# KiCad board PC110.kicad_pcb (continued)
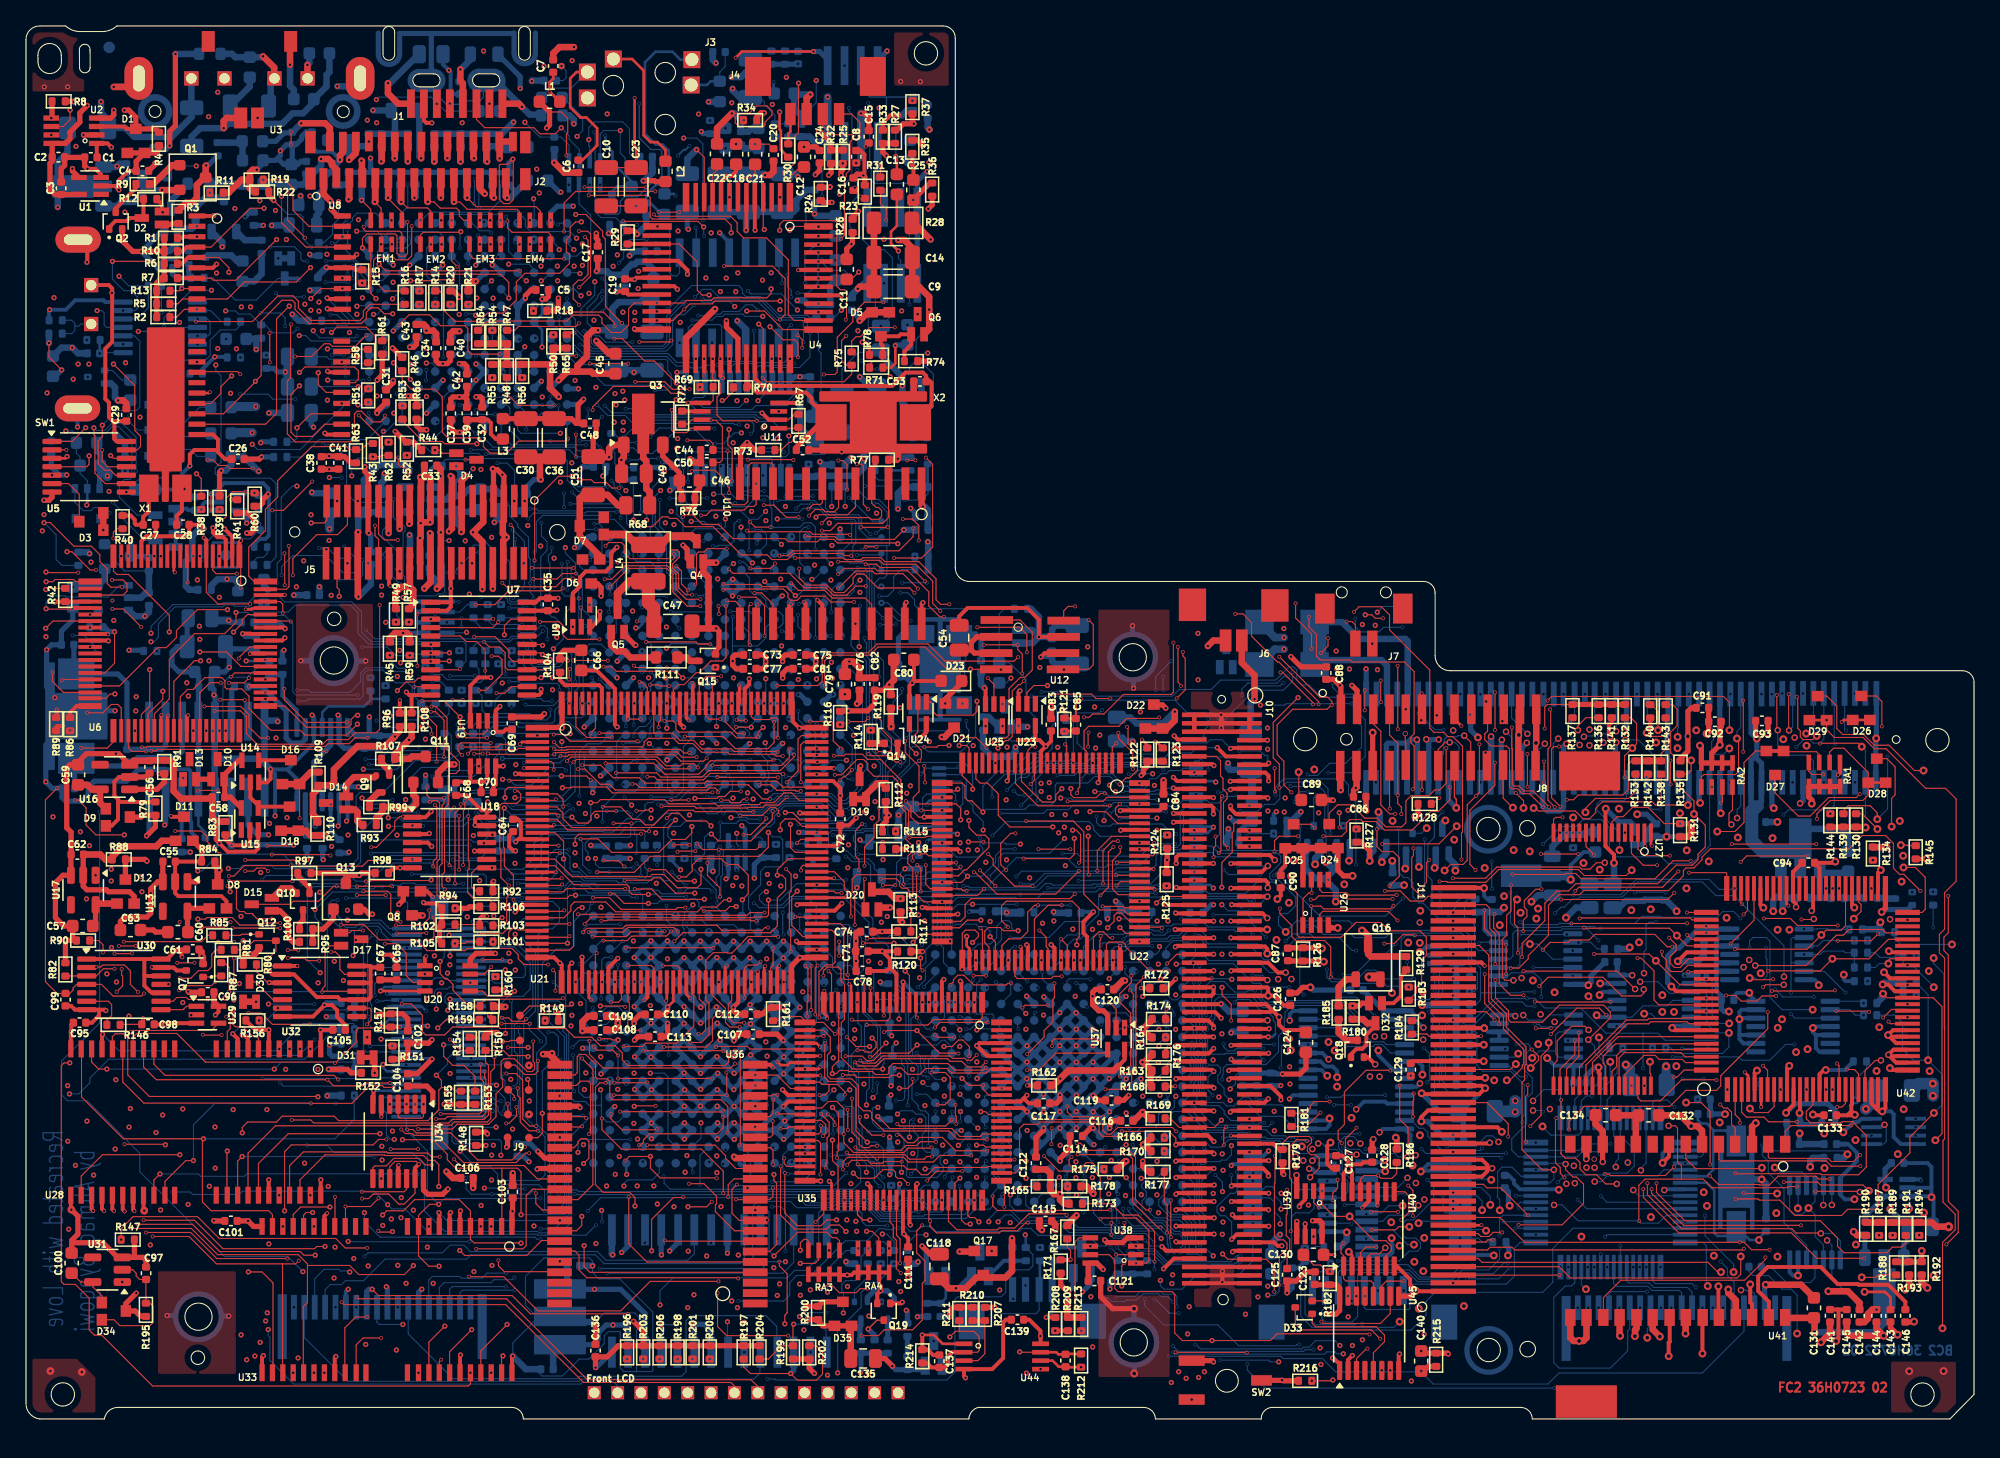
[diagram p0: board, top side]
## Routing (per net, layer and track width the routed paths; a pad name or vN(x,y) marks a point on that pad's centre or on a via; arc(x,y) is an arc through that point) (continued)
Net-(J11-CE1#): length 58.4
  FC2 w0.08: v2(147.07,21.48) 147.58,21.99 147.58,31.78 146.9,32.46 143.35,32.46 v2(143.04,32.77)
  FC1 w0.08: v3(109.93,17.43) 110.31,17.05 118.63,17.05 119.3,17.72 v4(119.3,18.17)
  IC3 w0.08: v2(147.07,21.48) 144.49,18.9 133.19,18.9 133.07,18.78 119.91,18.78 v4(119.3,18.17)
  BC1 w0.08: v2(143.04,32.77) 143.67,32.77 143.81,32.63 v7(145.6,32.63)
  BC2 w0.5: R366.1 143.04,32.52 v2(143.04,32.77)
Net-(J11-CE2#): length 69.3
  FC2 w0.08: v2(146.96,23.58) 145.11,21.73 145.11,20.5 143.25,18.64 143.24,18.64 142.66,18.06 142.66,16.37 142.45,16.16 140.33,16.16 139.85,15.68 136.27,15.68 135.09,16.86 133.52,16.86 133.42,16.96 v3(131.69,16.96) ; 109.93,18.08 112.26,18.08 112.53,17.81 113.59,17.81 v3(115.7,15.7)
  FC1 w0.08: v3(144.93,33.46) 145.83,33.46 146.49,32.8 146.49,32.81 146.49,27.66 v2(146.51,27.64) ; v3(131.69,16.96) 130.52,15.79 129,15.79 128.74,16.05 123.89,16.05 123.54,15.7 v3(115.7,15.7)
  BC2 w0.08: v2(146.51,27.64) 146.78,27.64 ; v2(146.51,27.64) 147.59,26.56 147.59,24.21 v2(146.96,23.58) ; v2(146.51,27.64) 146.51,32.7 145.58,33.63 145.56,33.63 ; v2(146.51,27.64) 145.39,27.64 144.54,28.49 144.54,30.52 143.94,31.12 142.54,31.12
Net-(J11-CSEL#): length 51.9
  FC2 w0.08: v2(144.41,44.22) 144.91,44.22 144.95,44.18 R145.2 ; v2(114.76,27.35) 114.34,26.93 109.93,26.93
  IC2 w0.08: v2(114.76,27.35) 114.76,26.84 116.18,25.42 132.93,25.42 135.27,27.76 137.37,27.76 137.54,27.93 138.93,27.93 141.06,30.06 141.06,36.76 140.32,37.5 140.32,39.52 142.53,41.73 143.02,41.73 143.66,42.37 143.66,43.47 v2(144.41,44.22)
Net-(J11-IOR#): length 58.6
  FC1 w0.08: v3(109.93,20.58) 110.01,20.66 121.43,20.66 121.99,20.1 121.99,19.61 121.74,19.36 v4(120.82,19.36)
  IC2 w0.08: v2(142.84,38.28) 141.93,37.37 141.93,24.95 142.25,24.63 142.25,23.52 141.91,23.18 141.91,20.39 140.43,18.91 126.32,18.91 126.29,18.88 125.98,18.88 124.22,17.12 122.47,17.12 121.62,17.97 121.62,18.56 v4(120.82,19.36)
  BC2 w0.08: R295.1 141.38,37.73
  BC2 w0.5: 142.75,37.74 142.75,38.2 v2(142.84,38.28) ; 142.75,37.74 141.46,37.74 R295.1 ; 142.75,37.74 142.92,37.58 R301.2
Net-(J11-IOW#): length 51.8
  FC2 w0.08: v3(115.87,22.57) 116.7,23.4 116.7,27.96 117.29,28.55 v2(117.29,29)
  FC1 w0.08: v3(109.93,21.88) 110.61,22.56 115.86,22.56 v3(115.87,22.57)
  IC3 w0.08: v2(117.29,29) 118.21,29 118.54,28.67 126.43,28.67 129.65,31.89 137.23,31.89 137.35,32.01 146.01,32.01 146.95,32.95 v2(146.95,33.27)
  BC2 w0.08: v2(146.95,33.27) 146.95,33.31 145.41,34.85 144.86,34.85 144.58,35.13 R290.2 144.03,35.71 143.89,35.57 142.79,35.57 142.43,35.93 R299.1
Net-(J13-FDD_DRATE0): length 31.4
  BC1 w0.08: v7(131.49,40.81) 131.93,41.25 131.93,43.13 134.13,45.33 135.12,45.33 135.38,45.59 v7(135.38,46.57) ; v7(119.14,36.09) 119.2,36.15 v7(119.2,40.4)
  BC2 w0.08: v7(119.2,40.4) 122.85,40.4 124.03,41.58 129.64,41.58 130.41,40.81 v7(131.49,40.81) ; v7(135.38,46.57) 135.75,46.94 138.95,46.94 139.28,47.27 J13.96
Net-(J13-FDD_DRATE1): length 46
  BC1 w0.08: v7(121.12,36.88) 122.21,36.88 123.28,35.81 124.16,35.81 125.96,37.61 125.96,41.8 127.41,43.25 129,43.25 129.72,43.97 129.72,48.81 131.33,50.42 138.75,50.42 141.04,52.71 141.04,55.75 v7(140.88,55.91)
  BC2 w0.08: U57.11 114.3,35.44 114.53,35.67 114.53,37.41 114.75,37.63 118.23,37.63 118.37,37.77 120.25,37.77 120.25,37.75 v7(121.12,36.88)
Net-(J13-Modem_ADCK#): length 5.5
  FC2 w0.1: J8.21 110.03,47.9 110.17,47.76 v2(110.17,47.09)
  BC2 w0.4: J13.59 109.58,47.68 v2(110.17,47.09)
Net-(J13-Modem_IRQ1#): length 6
  FC2 w0.08: v4(109.66,52.14) 109.32,52.14 108.78,51.6 J8.20
  BC2 w0.08: v4(109.66,52.14) 110.06,52.14 110.38,51.82 J13.60
Net-(J13-Modem_RSRVD1): length 15.3
  FC2 w0.08: J8.24 113.78,47.85 114.52,47.11 v2(114.53,47.11)
  BC1 w0.08: v2(114.53,47.11) 114.53,49.21 114.54,49.22 114.54,49.41 112.41,51.54 112.41,53.15 111.77,53.79 v7(110.14,53.79)
  BC2 w0.08: v7(110.14,53.79) 109.63,54.3 J13.42
Net-(J13-Modem_RSRVD2): length 33.4
  FC2 w0.08: J8.23 112.43,50.44 v3(112.43,51.36) ; v3(105.66,53.15) 105.66,58.03 v3(105.65,58.04) ; v1(103.16,61.97) 103.66,61.97 103.93,61.7 v3(104.53,61.7)
  FC1 w0.08: v3(104.53,61.7) 104.53,61.06 105.65,59.94 v3(105.65,58.04) ; v3(112.43,51.36) 109.01,51.36 108.35,52.02 108.35,52.59 107.63,53.31 105.82,53.31 v3(105.66,53.15)
  BC1 w0.08: v7(110.48,55.86) 109.81,55.86 107.96,54.01 106.91,54.01 104.58,56.34 104.58,59.08 103.49,60.17 103.49,61.64 v1(103.16,61.97)
Net-(J13-Modem_S11): length 7.7
  FC2 w0.08: v4(110.78,52.66) 111.28,52.16 J8.22
  BC2 w0.08: v4(110.78,52.66) 110.3,52.66 110.21,52.57 109.44,52.57 109.24,52.37 109.24,52.2 109.19,52.15 109.19,51.26 108.78,50.85 J13.58
Net-(J13-Modem_VPDA#): length 24.9
  FC2 w0.08: v2(115.35,47.08) 115.35,47.65 v3(114.76,48.24) ; v3(107.53,48.48) J8.19
  FC1 w0.08: 107.59,48.48 109.12,48.48 109.36,48.24 110.02,48.24 110.32,48.54 114.46,48.54 v3(114.76,48.24)
  BC1 w0.08: v7(103.98,49.06) 104.61,49.69 112.8,49.69 113.91,48.58 113.91,46.9 114.23,46.58 114.85,46.58 v2(115.35,47.08)
Net-(J13-RXD2): length 41.3
  FC2 w0.08: v2(110.2,45.68) 108.84,44.32 v3(104.47,44.32) ; v2(128.26,50.75) 128.26,49.98 127.97,49.69 R135.1
  FC1 w0.08: v3(100.31,41.56) 101.47,42.72 101.47,43.72 102.07,44.32 v3(104.47,44.32)
  IC3 w0.08: v2(128.26,50.75) 125.05,47.54 111.95,47.54 110.2,45.79 v2(110.2,45.68)
  BC1 w0.08: v7(128.88,55.86) 128.88,55.29 126.7,53.11 126.7,52.35 126.93,52.12 127.8,52.12 128.26,51.66 v2(128.26,50.75)
Net-(J13-TXD2): length 47.2
  FC2 w0.08: U26.6 99.66,40.77 99.86,40.57 101.7,40.57 101.9,40.37 v3(105.58,40.37) ; v2(123.68,42.29) 123.27,41.88 120.03,41.88 119.57,42.34 113.43,42.34 112.45,41.36 109.5,41.36 109.44,41.42 v3(108.89,41.42)
  FC1 w0.08: v3(108.89,41.42) 108.57,41.74 106.04,41.74 105.58,41.28 v3(105.58,40.37)
  BC1 w0.08: v2(123.68,42.29) 123.68,44.61 122.19,46.1 122.19,49.45 124.23,51.49 124.23,52.07 123.61,52.69 123.61,56 123.92,56.31 127.63,56.31 v7(128.08,55.86)
Net-(J15-RAS2): length 169.6
  FC2 w0.08: v3(30.84,54.8) 30.84,54.2 31.63,53.41 v3(31.63,50.67) ; R103.1 34.88,38.1 R102.2 ; v3(31.5,47.31) 31.65,47.16 31.65,43.26 31.37,42.98 v3(31.37,42.59)
  FC2 w0.3: R103.1 34.95,38.56 35.13,38.74 v3(35.5,38.74)
  FC1 w0.08: v3(30.84,54.8) 30.84,56.99 30.09,57.74 28.26,57.74 26.65,59.35 26.65,63 25.79,63.86 23.9,63.86 v1(23.51,63.47) ; v3(31.63,50.67) 31.63,48.49 31.5,48.36 v3(31.5,47.31) ; v3(35.5,38.74) 35.5,42.07 35.41,42.16 35.41,42.58 34.7,43.29 32.47,43.29 31.77,42.59 v3(31.37,42.59)
  IC2 w0.08: v1(4.85,81.29) 4.85,81.93 5.74,82.82 18.64,82.82 19.43,82.03 19.43,66.21 22.17,63.47 v1(23.51,63.47)
  IC4 w0.08: v1(3.35,25.05) 4.11,25.81 4.11,37.17 3.33,37.95 3.33,64.88 3.79,65.34 3.79,72.72 2.81,73.7 2.81,74.53 3.67,75.39 5.53,75.39 6.24,76.1 6.24,80.58 5.53,81.29 v1(4.85,81.29)
  BC1 w0.08: v7(27.82,32.78) 27.82,32.42 27.38,31.98 27.38,31.55 27.96,30.97 27.96,30.03 27.64,29.71 27.17,29.71 26.37,30.51 24.96,30.51 24.76,30.31 v7(24.76,29.5)
  BC2 w0.08: v7(24.76,29.5) 23.24,29.5 21.46,27.72 6.38,27.72 4.92,26.26 4.92,25.91 4.06,25.05 v1(3.35,25.05)
  BC2 w0.3: J15.11 27.83,32.79 v7(27.82,32.78)
Net-(J15-RAS3): length 11.1
  FC2 w0.4: v3(33.05,39.35) 34.04,39.35 34.16,39.47 R106.1
  FC1 w0.08: v3(33.05,39.35) 33.37,39.03 33.37,34.87 33,34.5 33,34.03 32.66,33.69 v1(32.66,32.36)
  BC2 w0.2: v1(32.66,32.36) 32.74,32.28
  BC2 w0.3: J15.49 32.73,32.29 v1(32.66,32.36)
Net-(L5--): length 16.1
  FC2 w0.1: v3(63.83,94.9) 63.83,94.79 C16.1
  FC2 w0.4: R24.2 61.91,94.92 v1(61.94,94.95)
  FC1 w0.1: v3(63.83,94.9) 63.62,95.11 62.1,95.11 v1(61.94,94.95)
  BC1 w0.2: v1(61.94,94.95) 61.14,94.95 60.45,94.26 v7(50.04,94.26)
  BC2 w0.2: L5.2 49.89,94.41 v7(50.04,94.26)
Net-(L8-+): length 24.2
  FC2 w0.2: v1(58.05,100.72) 58.05,99.38 58.15,99.28 58.15,97.8 R30.1
  BC1 w0.1: v1(58.05,100.72) 58.05,99.71 58.77,98.99 58.77,97.62 57.86,96.71 51.68,96.71 50.38,98.01 47.66,98.01 46.66,97.01 46.66,93.42 v7(46.65,93.41)
Net-(L9--): length 14.4
  FC2 w0.5: v1(13.88,96.6) 13.84,96.56 Q1.3 13.73,95.67 13.16,95.1 13.16,94.1 12.78,93.72 12.33,93.72 R3.2
  BC1 w0.4: v1(13.88,96.6) 17.92,92.56 18.77,92.56 18.93,92.4 v1(18.93,91.98)
  BC2 w0.4: v1(13.88,96.6) 14.02,96.6 R236.1 ; 20.23,91.98 L9.2
  BC2 w0.5: v1(18.93,91.98) 20.23,91.98
Net-(L11-+): length 27.7
  FC2 w0.08: R14.2 31.87,86.92 32.13,86.66 32.13,85.49 33.03,84.59 34.92,84.59 35.55,85.22 36.75,85.22 36.76,85.22 37.77,86.23 37.77,87.63 38.43,88.29 41.11,88.29 41.86,89.04 41.86,89.73 41.62,89.97 41.62,90.88 41.91,91.17 41.91,91.83 42.33,92.25 v1(42.78,92.25)
  BC1 w0.08: v7(38.67,98.01) 39.43,97.25 41.98,97.25 42.78,96.45 v1(42.78,92.25)
Net-(L13-+): length 16
  IC1 w0.2: v1(51.81,100.56) 50.98,100.56 49.8,101.74 47,101.74 45.1,99.84 43.45,99.84 v1(42.45,98.84)
  BC1 w0.08: 52.7,100.04 52.7,100.06 v7(52.69,100.07)
  BC1 w0.1: v1(51.81,100.56) 52.33,100.04 52.7,100.04
  BC2 w0.08: L13.1 41.38,101.81 42.88,100.31 42.88,99.27 v1(42.45,98.84)
Net-(L15--): length 6.2
  BC2 w0.5: 14.16,94.13 13.84,94.13 13.11,93.4 R240.1 ; 14.16,94.13 14.11,94.19 R239.1 L15.2 ; 14.16,94.13 Q20.3
Net-(L17-+): length 17.1
  FC2 w0.4: v1(33.38,86.44) 33.38,86.45 32.91,86.92 R20.2
  IC1 w0.08: v1(41.2,94.54) 41.2,91.98 40.56,91.34 34.6,91.34 33.38,90.12 v1(33.38,86.44)
  BC2 w0.4: L17.1 41.09,94.54 v1(41.2,94.54)
Net-(L18--): length 37.1
  FC1 w0.08: v1(25.49,85.13) 24.84,85.13 24.68,85.29 24.68,86.59 25.11,87.02 30.21,87.02 v3(30.31,86.92)
  IC2 w0.08: v1(25.49,85.13) 25.99,84.63 27.26,84.63 27.68,85.05 27.68,85.24 28.09,85.65 28.28,85.65 28.97,86.34 28.97,88.8 28.47,89.3 28.47,95.29 27.94,95.82 27.94,100.72 v1(26.99,101.67)
  BC2 w0.08: L18.2 32.29,100.79 31.21,101.87 27.19,101.87 v1(26.99,101.67)
Net-(Q1-B): length 3
  FC2 w0.5: R9.2 9.8,95.16 11.26,96.62 Q1.1
Net-(Q2-C): length 2.8
  FC2 w0.3: R9.1 8.47,94.86 6.91,93.3 Q2.3
Net-(Q5-B): length 4.9
  FC2 w0.5: Q5.2 45.07,59.64 45.55,59.16 46.08,59.16 46.56,58.68 R111.1
Net-(Q7-B): length 1.4
  FC2 w0.08: R87.1 14.33,34.14 14.25,34.06 Q7.1
Net-(Q7-C): length 10.1
  FC2 w0.08: U30.13 10.39,34.81 v3(9.69,34.81) ; R146.2 7.29,30.41 C98.1 9.01,30.5
  FC2 w0.3: v3(9.01,30.87) 9.01,30.5 ; Q7.3 11.61,34.56 11.38,34.79 U30.13
  FC1 w0.08: v3(9.69,34.81) 9.11,34.81 8.32,34.02 8.32,32.73 8.98,32.07 8.98,30.9 v3(9.01,30.87)
Net-(Q9-B): length 1.5
  FC2 w0.5: Q9.1 27.97,49.98 27.38,50.57 R107.1
Net-(Q9-C): length 1.7
  FC2 w0.5: Q9.3 27.15,48.29 26.46,47.6 R99.1
Net-(Q9-E): length 3.5
  FC2 w0.5: Q9.2 26.86,49.46 25.26,49.46 24.66,48.86 D14.1
Net-(Q10-B): length 1.9
  FC2 w0.4: Q10.1 21.84,40.93 20.93,41.84 R97.1
Net-(Q10-C): length 1.6
  FC2 w0.4: R100.1 21.07,38.17 21.34,38.44 Q10.3
Net-(Q10-E): length 2.4
  FC2 w0.08: 20.83,40.52 Q10.2
  FC2 w0.4: D15.1 19.72,40.94 20.41,40.94 20.83,40.52
Net-(Q11-B): length 6.1
  FC2 w0.5: Q11.1 29.84,48.08 30.04,47.88 30.04,47.39 29.67,47.02 28.71,47.02 28.58,47.15 R99.2 27.48,46.82 26.98,46.32 R93.2
Net-(Q12-B): length 2.6
  FC2 w0.08: R85.2 16.52,37.27 16.6,37.35 Q12.1
Net-(Q13-B): length 3.7
  FC2 w0.4: R95.2 R100.2 22.89,37.75 23.69,38.55 Q13.1
Net-(Q14-B): length 1.1
  FC2 w0.5: Q14.1 R114.1
Net-(Q15-C): length 1.7
  FC2 w0.5: Q15.3 51.15,58.42 50.89,58.68 R111.2
Net-(Q16-B): length 3
  FC2 w0.5: R185.2 101.11,33.29 101.7,33.88 Q16.1
Net-(Q17-B): length 132.7
  FC2 w0.08: U6.39 6.16,55.54 6.49,55.87 v1(6.85,55.87)
  FC1 w0.08: v1(75,9.94) 75,12.33 v3(74.38,12.95)
  IC1 w0.08: v1(75,9.94) 72.19,9.94 70.19,7.94 70.19,6.78 68.67,5.26 43.09,5.26 40.84,3.01 12.44,3.01 1.77,13.68 1.77,44.23 5.7,48.16 7.17,48.16 8.1,49.09 8.09,49.11 8.09,54.64 v1(6.85,55.87)
Net-(Q18-C): length 2.7
  FC2 w0.5: R185.1 101.11,29.77 101.7,29.18 Q18.3
Net-(Q19-B): length 4.2
  FC2 w0.3: Q19.1 67.41,8.91 v1(67.5,9)
  BC1 w0.08: v7(66.86,11.96) 66.86,9.64 v1(67.5,9)
Net-(Q19-C): length 2.5
  FC2 w0.1: v1(64.87,6.93) 65.55,7.61 Q19.3
  BC2 w0.4: v1(64.87,6.93) 65.36,6.44 R410.2
Net-(Q20-B): length 2.2
  BC2 w0.5: Q20.1 16.87,90.84 R232.1
Net-(Q21-B): length 3.1
  BC2 w0.4: Q21.1 12.53,88.6 12.54,88.59 12.54,88.1 R237.2 11.6,87.94 11.28,88.26 Q23.1
Net-(Q22-B): length 4.1
  BC2 w0.5: Q23.3 11.08,90.02 11.67,90.61 Q22.2 12.77,91.73 13.08,92.04 13.08,92.36 R240.2
Net-(Q22-C): length 2.5
  BC2 w0.5: 12.46,95.2 11.17,93.92 Q22.3
Net-(Q24-C): length 10.4
  FC2 w0.4: v1(11.07,98.12) 11.07,99.23 11.51,99.67 v1(11.51,105.19)
  BC2 w0.4: v1(11.07,98.12) 10.77,97.82 Q24.3
  BC2 w0.5: v1(11.51,105.19) 13.33,105.19 R238.2
Net-(Q25-B): length 1.8
  BC2 w0.5: R242.1 7.2,96.73 v1(7.01,96.54) 6.95,96.48 Q25.1
Net-(Q25-C): length 13.3
  BC2 w0.08: 2.44,94.99 2.45,94.98 Q25.2 2.5,94.98 2.49,94.99
  BC2 w0.5: v1(2.45,93.38) 2.45,96.85 3.2,97.6 R241.2
Net-(Q26-B): length 1.7
  BC2 w0.08: 66.43,73.1 R254.1
  BC2 w0.2: Q26.1 66.43,73.1
Net-(Q27-B): length 2.1
  BC2 w0.08: R262.2 17.55,66.12 17.83,66.4 18.29,66.4 18.58,66.69 Q27.1
Net-(Q28-B): length 10.6
  BC1 w0.08: v7(36.32,73.66) 35.41,73.66 35.12,73.95 v7(34.74,73.95)
  BC2 w0.08: v7(36.32,73.66) 37.06,73.66 37.64,73.08 Q28.1 ; v7(34.74,73.95) 32.34,73.95 32.06,73.67 R260.2
  BC2 w0.3: U50.1 31.19,72.11 31.19,73.17 31.46,73.44 R260.2
Net-(Q31-B): length 147.2
  IC3 w0.08: v2(121.25,33.56) 120.86,33.95 117.02,33.95 116.15,33.08 114.02,33.08 112.84,34.26 104.47,34.26 103.93,34.8 103.04,34.8 102.82,34.58 102.43,34.58 102.41,34.56 98.9,34.56 98.54,34.92 98.49,34.92 98.03,35.38 89.62,35.38 88.85,34.61 71.24,34.61 69.39,36.46 69.39,37.34 66.83,39.9 66.29,39.9 63.94,37.55 46.08,37.55 45.87,37.76 38.65,37.76 38.38,38.03 30.19,38.03 29.71,38.51 29.71,39.72 25.23,44.2 24.37,44.2 24.06,43.89 24.02,43.89 23.83,43.7 19.39,43.7 18.67,42.98 18.02,42.98 15.73,40.69 v1(15.73,40.63)
  BC1 w0.08: v7(18.62,63.92) 19.46,63.08 19.46,58.2 21.27,56.39 21.27,55.19 21,54.92 17.39,54.92 16.03,53.56 16.03,41.54 15.73,41.24 v1(15.73,40.63)
  BC2 w0.3: v2(121.25,33.56) U66.13
  BC2 w0.5: Q31.1 18.33,64.21 v7(18.62,63.92)
Net-(Q32-B): length 1.6
  BC1 w0.08: v7(146.9,40.62) 146.88,40.6 v7(145.29,40.6)
Net-(Q32-C): length 1.4
  BC2 w0.5: Q32.3 143.35,40.1 143.3,40.15 R291.1
Net-(Q33-E): length 31
  IC1 w0.8: v2(135.31,39.13) 135.72,38.72
  IC1 w0.9: v2(146.88,25.84) 147.67,25.84 147.87,26.04 147.87,29.34 145.75,31.46 141.44,31.46 136.98,35.92 136.98,37.84 136.22,38.6 135.84,38.6 135.72,38.72
  BC2 w0.08: 145.75,25.8 145.75,25.84
  BC2 w0.5: 135.17,40.23 134.84,40.23 134.58,39.97 v2(134.58,39.13) ; 135.17,40.23 Q33.3 ; 135.17,40.23 135.25,40.15 135.71,40.15 ; R293.2 135.71,40.15 ; 135.71,40.15 135.31,39.75 v2(135.31,39.13)
  BC2 w0.9: 145.75,25.84 v2(146.88,25.84) 146.89,25.83 v2(146.89,24.9) ; F2.1 145.75,25.8
Net-(Q35-B): length 1.3
  BC2 w0.08: Q35.1 60.11,44.33 58.86,44.33 R321.2
Net-(Q35-C): length 1.9
  BC2 w0.08: Q35.3 61.35,43.05 61.47,43.17 R320.1
Net-(Q36-B): length 4.6
  BC2 w0.08: Q36.1 65.34,42.42 65.34,42.73 64.91,43.16 63.87,43.16 63.26,43.77 63.14,43.77 62.72,44.19 R320.2
Net-(Q37-B): length 1.8
  BC2 w0.08: 141.65,14.22 141.66,14.21 R368.1
  BC2 w0.4: Q37.1 141.64,14.16 R368.1
Net-(Q38-B): length 4.9
  BC1 w0.08: v7(98.5,13.15) 97.89,13.15 v7(95.92,11.19)
  BC2 w0.08: Q38.1 99.3,13.29 99.16,13.15 v7(98.5,13.15)
Net-(Q38-C): length 66.3
  FC2 w0.08: v1(100.66,3) 100.6,2.94 v3(99.04,2.94) ; v3(85.48,12.01) 86.3,12.01 86.49,12.2 86.49,14.53 85.54,15.49 82.83,15.49 v3(82.76,15.42) ; v3(94.03,5.11) 94.01,5.13 v3(88.54,5.13) ; v3(69.79,20.23) 69.39,20.23 69.18,20.02 68.05,20.02 67.71,20.36 63.39,20.36 v3(63.22,20.53)
  FC1 w0.08: v3(99.04,2.94) 97.76,2.94 97.28,3.42 95.72,3.42 v3(94.03,5.11) ; v3(85.48,12.01) 85.48,10.99 88.54,7.93 v3(88.54,5.13) ; v3(82.76,15.42) 82.03,16.15 77.32,16.15 77.22,16.05 70.29,16.05 69.71,16.63 69.71,17.15 70.23,17.67 70.23,19.79 v3(69.79,20.23) ; v3(63.22,20.53) 63.05,20.53 62.88,20.7 61.02,20.7 60.76,20.96 v3(60,20.96)
  BC1 w0.08: v7(100.48,11.99) 100.48,9.08 100.79,8.77 100.79,6.73 100.14,6.08 100.14,4.47 100.66,3.95 v1(100.66,3)
Net-(Q39-C): length 2.2
  BC2 w0.08: 81.25,13.21 Q39.2
  BC2 w0.3: R388.2 81.25,13.21
Net-(Q40-C): length 4.8
  BC1 w0.08: v9(73.48,12.9) 73.48,12.89
  BC1 w0.2: v9(78.1,13.21) 77.79,12.9 v9(73.48,12.9)
Net-(Q43-B): length 3.3
  BC1 w0.08: v7(65.84,11.96) 66.26,11.54 66.26,9.41 v7(65.88,9.03)
Net-(Q43-C): length 1.6
  BC2 w0.08: 66.38,6.1 R412.2
  BC2 w0.4: Q43.3 66.38,6.1
Net-(Q44-B): length 3.4
  BC2 w0.08: Q44.1 63.81,9.91 64.84,10.94 R398.1
Net-(Q44-C): length 1.7
  BC2 w0.4: Q44.3 64.31,7.21 64.24,7.14 64.24,6.16 R409.2
Net-(R67-Pad1): length 4.4
  FC2 w0.08: U11.1 59.45,76.35 R67.1 59.5,75.83 58.93,75.26 58.77,75.26 58.18,74.67 R73.2
Net-(R268-Pad2): length 1.6
  BC2 w0.08: R268.2 17.47,71.18 17.34,71.31 U52.4
Net-(R289-Pad1): length 130.4
  FC1 w0.08: 30.8,34.26 30.93,34.13 v1(30.93,32.38)
  IC3 w0.08: v2(146.57,34.52) 145.54,35.55 142.92,35.55 142.34,34.97 137.6,34.97 136.68,34.05 136.68,32.73 136.03,32.08 129.41,32.08 127.93,30.6 124.29,30.6 123.23,31.66 119.01,31.66 118.41,32.26 113.35,32.26 112.2,33.41 102.36,33.41 101.6,32.65 97.73,32.65 97.01,33.37 94.51,33.37 94.38,33.5 92.5,33.5 92.29,33.71 90.69,33.71 89.12,32.14 80.59,32.14 79.62,33.11 76.83,33.11 76.31,32.59 61.77,32.59 60.8,33.56 36.63,33.56 36.04,32.97 32.26,32.97 32.1,33.13 31.68,33.13 v1(30.93,32.38)
  BC1 w0.08: v7(146.91,37.87) 146.36,37.32 146.36,34.73 v2(146.57,34.52)
  BC2 w0.08: R289.1 146.9,37.88 v7(146.91,37.87)
  vias: v3(30.72,34.28)
Net-(R291-Pad2): length 1.5
  BC2 w0.5: R291.2 R297.1
Net-(R321-Pad1): length 5.9
  BC1 w0.08: v7(58.81,43.26) 58.57,43.02 54.87,43.02 54.47,43.42 v7(54.47,44.04)
  BC2 w0.08: U60.4 54.1,44.41 v7(54.47,44.04)
Net-(R332-Pad1): length 5.6
  BC2 w0.3: R332.1 19.75,55.73 20.87,54.61 U62.8
  BC2 w0.4: R340.1 R332.1
Net-(R341-Pad2): length 3.8
  BC2 w0.4: R341.2 R348.2 21.65,45.83 21.52,45.96 U62.6
Net-(R344-Pad1): length 7.2
  BC2 w0.2: U62.11 22.82,54.46 23.27,54.91 26.04,54.91 26.54,55.41 ; 26.54,55.41 26.62,55.49 R353.1 ; 26.54,55.41 R344.1
Net-(R350-Pad2): length 3.2
  BC2 w0.3: U62.3 23.47,45.32 R350.2
Net-(R357-Pad1): length 18.3
  BC1 w0.08: 22.26,45.67 v9(22.28,45.69) 22.29,45.7
  BC1 w0.3: v1(24.04,45.7) 24.01,45.67 22.32,45.67 22.29,45.7 ; 22.26,45.67 22.26,45.02 21.47,44.23 v1(20.62,44.23)
  BC2 w0.3: U62.2 24.12,45.78 v1(24.04,45.7)
  BC2 w0.4: v9(22.28,45.69) 22.28,46.35 22.17,46.46 U62.5 22.17,50.62 23.47,51.92 U62.12 ; v1(20.62,44.23) 20.6,44.25 R357.1
Net-(R358-Pad1): length 8.5
  BC2 w0.4: R358.1 18.19,56.43 20.04,54.58 20.04,52.47 20.42,52.09 21.23,52.09 21.52,52.38 U62.9
Net-(R368-Pad2): length 2.6
  BC2 w0.4: U65.4 141.66,15.62 R368.2
Net-(R370-Pad2): length 3.6
  BC1 w0.08: v7(121.88,29.08) 121.88,29.63 122.01,29.76 v7(122.01,31.54)
  BC2 w0.08: U66.10 122.48,31.54 v7(122.01,31.54)
  BC2 w0.2: R370.2 121.98,28.98 v7(121.88,29.08)
Net-(RA1-R1.1): length 119.4
  FC2 w0.2: D26.1 D26.3 140.01,53.87 v3(139.86,53.71)
  FC2 w0.3: v3(139.57,49.64) 139.73,49.8 RA1.1
  FC1 w0.08: v2(144.47,41.41) 139.58,46.3 139.56,46.3 139.56,49.63 v3(139.57,49.64) 139.56,49.65 139.56,53.41 v3(139.86,53.71) ; v1(70.67,23.68) 70.67,22.35 71.07,21.95 71.07,20.77 70.45,20.15 70.45,18.99 70.55,18.89 v3(70.55,16.86)
  IC3 w0.08: v2(144.47,41.41) 144.47,37.31 147.78,34 147.78,30.83 144.47,27.52 144.47,26.66 143.68,25.87 133.6,25.87 132.72,24.99 127.34,24.99 125.63,23.28 108.58,23.28 107.8,22.5 105.37,22.5 105.15,22.72 103.54,22.72 103.14,22.32 97.24,22.32 96.6,22.96 94.57,22.96 93.39,24.14 92.45,24.14 92.44,24.13 92.39,24.13 92.2,24.32 71.25,24.32 71.25,24.26 v1(70.67,23.68)
Net-(RA1-R2.1): length 131.1
  FC2 w0.08: v3(132.08,42.93) 132.54,43.39 v3(137.26,43.39) ; v3(126.94,19.43) 126.27,18.76 122.05,18.76 121.94,18.87 v3(121.6,18.87) ; 138.93,50.59 138.93,51.39 139.23,51.69 140.03,51.69 141.91,49.81 D28.3 141.91,48.09 141.48,47.66 138.98,47.66 137.95,46.63 v3(137.95,46.25)
  FC2 w0.2: D28.1 D28.3
  FC1 w0.08: v3(126.94,19.43) 129.34,21.83 129.34,22.95 130.06,23.67 130.32,23.67 130.59,23.94 130.72,23.94 130.9,24.12 130.9,24.39 130.57,24.72 130.57,25.62 130.94,25.99 130.94,28.38 132.57,30.01 132.57,30.99 131.83,31.73 131.83,34.92 132.05,35.14 132.05,38.31 131.85,38.51 131.85,40.23 131.95,40.33 131.95,41.34 131.85,41.44 131.85,41.59 132.08,41.82 v3(132.08,42.93) ; v3(137.95,46.25) 137.95,45.76 137.26,45.07 v3(137.26,43.39) ; v3(70.05,16.86) 70.43,16.48 70.63,16.48 72.2,18.05 75.19,18.05 76.48,19.34 81.08,19.34 81.4,19.66 81.4,26.45 81.98,27.03 82.64,27.03 83.23,27.62 84.02,27.62 84.77,28.37 84.77,29.57 85.84,30.64 89.64,30.64 91.43,32.43 92.71,32.43 93.37,31.77 97.83,31.77 98.49,31.11 98.49,22.84 99.59,21.74 101.3,21.74 101.63,21.41 101.63,21.01 101.84,20.8 102.77,20.8 103.71,19.86 103.71,18.13 104.24,17.6 108.51,17.6 111.15,20.24 119.2,20.24 119.68,19.76 119.68,19.22 120.03,18.87 v3(121.6,18.87)
Net-(RA1-R3.1): length 104.9
  FC2 w0.08: v2(130.27,45.27) 131.63,45.27 132.33,45.97 132.33,50.58 133.23,51.48 D27.1 ; D27.3 135.44,51.42 137.92,51.42 138.12,51.22 RA1.3 ; U35.71 71.55,18.17 v1(71.94,18.56)
  FC2 w0.3: D27.1 D27.3
  IC1 w0.08: v1(71.94,18.56) 72.43,19.05 84.05,19.05 84.29,19.29 89.8,19.29 90.34,18.75 93.43,18.75 94.24,17.94 96.82,17.94 97.41,17.35 107.21,17.35 107.4,17.54 117.09,17.54 118.13,18.58 119.56,18.58 120.31,17.83 121.45,17.83 122.18,18.56 128.14,18.56 v2(129.23,17.47)
  BC1 w0.08: v2(129.23,17.47) 129.23,18.24 128.94,18.53 128.94,23.14 128.35,23.73 128.35,24.87 128.93,25.45 128.93,30.02 128.58,30.37 128.58,37.79 130.12,39.33 130.12,42.23 130.28,42.39 130.28,45.26 v2(130.27,45.27)
Net-(RA1-R4.1): length 151.5
  FC2 w0.08: v3(138.43,49.67) 137.56,49.67 137.32,49.91 RA1.4 ; v3(138.69,53.86) 138.69,53.12 139.29,52.52 141.5,52.52 142.37,51.65 143.27,51.65 146.32,48.6 147.85,48.6 148.67,47.78 148.67,41.44 147.78,40.55 147.78,37.74 147.38,37.34 147.38,35.91 147.78,35.51 147.78,21.58 147.66,21.46 147.66,16.71 148.6,15.77 148.6,14.58 147.62,13.6 v2(147.62,6.99) ; v3(80.16,15.72) 80.06,15.81 77.25,15.81 76.15,14.71 74.95,14.71 74.81,14.57 71.71,14.57 71.05,15.23 U35.70 ; v3(83.6,14.18) v3(83.6,15.11)
  FC2 w0.2: 137.37,53.86 v3(138.69,53.86)
  FC1 w0.08: v3(80.16,15.72) 80.85,15.02 83.09,15.02 83.18,15.11 v3(83.6,15.11) ; v1(82.02,9.42) 82.02,12.16 83.6,13.74 v3(83.6,14.18) ; v3(138.69,53.86) 138.7,53.85 138.7,49.94 v3(138.43,49.67)
  IC3 w0.08: v1(82.02,9.42) 83.51,9.42 83.69,9.24 86.03,9.24 88.15,7.12 89.73,7.12 90.27,6.58 99.39,6.58 99.69,6.88 99.76,6.88 99.92,7.04 137.44,7.04 137.52,7.12 137.95,7.12 137.97,7.1 138.01,7.1 138.12,6.99 v2(147.62,6.99)
Net-(RA3-R1.1): length 14.7
  FC2 w0.08: RA3.1 62.67,13.73 62.42,13.97 62.11,13.97 61.69,14.39 59.44,14.39 57.62,12.57 v1(57.62,12.56)
  BC1 w0.08: v7(56.45,16.35) 56.43,16.37 v7(56.43,19.44)
  BC2 w0.08: v7(56.45,16.35) 56.83,16.35 57.23,15.95 57.23,12.95 v1(57.62,12.56) ; v7(56.43,19.44) 56.43,19.68 U76.L16
Net-(RA3-R2.1): length 23.4
  FC1 w0.08: v3(61.86,12.99) 61.86,11.02 61.32,10.47 61.32,9.93 60.92,9.53 v1(59.65,9.53)
  BC1 w0.08: v1(59.65,9.53) 59.16,10.02 59.16,12.28 v7(58.5,12.94) ; v7(57.47,18.28) 57.47,16.37 v7(57.48,16.36)
  BC2 w0.08: U76.R13 61.48,23.39 60.84,22.75 60.84,19.29 59.83,18.28 v7(57.47,18.28) ; v7(58.5,12.94) 58.5,15.99 58.13,16.36 v7(57.48,16.36)
Net-(RA3-R3.1): length 19.4
  FC2 w0.08: v1(59.64,11.99) 60.77,11.99 61.07,12.29 RA3.3
  BC1 w0.08: v7(62.16,21.99) 61.67,21.99 61.32,21.64 61.32,19.77 60.03,18.48 60.03,13.88 60.24,13.67 60.24,12.59 v1(59.64,11.99) ; v7(62.8,27.03) 62.8,24.51 62.55,24.26 62.55,23.71 v7(62.17,23.33)
  BC2 w0.08: v7(62.17,23.33) 62.16,23.32 v7(62.16,21.99) ; U76.T10 62.8,27.28 v7(62.8,27.03)
Net-(RA3-R4.1): length 24.1
  FC2 w0.08: v1(59.65,13) 59.65,13.57 59.92,13.84 60.13,13.84 60.27,13.71 RA3.4
  BC1 w0.08: v7(59.63,24.59) 60.8,24.59 61.66,25.45 61.66,27.33 61.14,27.85 61.14,30.21 61.98,31.05 v7(62.59,31.05) ; v1(59.65,13) 59.65,18.58 60.69,19.62 60.69,22.99 60.06,23.62 v7(59.63,23.62)
  BC2 w0.08: U76.T7 62.66,31.05 v7(62.59,31.05) ; v7(59.63,23.62) v7(59.63,24.59)
Net-(RA4-R1.1): length 30.8
  FC1 w0.08: v1(63.98,14.46) 64.03,14.46 64.48,14.01 64.48,12.82 64.7,12.6 65.95,12.6 v3(66.48,13.14)
  BC1 w0.08: 64.54,27.82 64.55,27.81 ; 64.54,27.82 64.58,27.78 64.58,26.37 65.73,25.22 65.73,24.67 65.25,24.19 65.25,20.54 64.33,19.62 64.33,14.81 v1(63.98,14.46) ; 64.54,27.82 64.33,28.03 64.33,30.45 65.23,31.35 65.23,31.72 64.82,32.13 62.21,32.13 61.93,32.41 61.93,33.99 61.57,34.35 v7(60.21,34.35)
  BC2 w0.08: v7(60.21,34.35) U76.P4
Net-(RA4-R2.1): length 24.8
  FC2 w0.08: v1(64.75,14.46) 65.18,14.46 65.69,13.96 RA4.2
  BC1 w0.08: v1(64.75,14.46) 64.75,14.98 64.59,15.14 64.59,16.04 65.15,16.6 65.15,18.79 65.39,19.03 65.39,20 65.63,20.24 65.63,22.19 66.31,22.87 66.31,24.44 66.2,24.55 66.2,26.14 65.41,26.93 65.41,28.46 65.62,28.67 65.62,29.39 65.83,29.6 65.83,32.33 65.19,32.97 64.06,32.97 63.49,33.54 v7(62.99,33.54)
  BC2 w0.08: U76.T5 62.89,33.54 v7(62.99,33.54)
Net-(RA4-R3.1): length 25.5
  FC1 w0.08: v1(63.92,15.23) 64.46,15.23 64.83,14.86 65.05,14.86 65.22,14.69 65.22,14.22 64.89,13.89 v3(64.89,13.14)
  BC1 w0.08: v7(61.45,33.43) 61.45,31.65 61.72,31.38 62.84,31.38 62.99,31.23 62.99,30.43 62.47,29.91 62.47,28.86 62.76,28.57 63.3,28.57 64.37,27.5 64.37,26.81 63.91,26.35 63.91,24.91 63.67,24.67 63.67,24.34 62.74,23.41 62.74,17.89 63.92,16.71 v1(63.92,15.23)
  BC2 w0.08: U76.R5 61.45,33.65 v7(61.45,33.43)
Net-(RA4-R4.1): length 29.7
  FC1 w0.08: v3(64.08,13.14) 63.9,13.14 63.58,13.46 63.58,14.99 v1(63.23,15.34)